# KiCad board poly_kb_molecule_7x5_wave_left.kicad_pcb (continued)
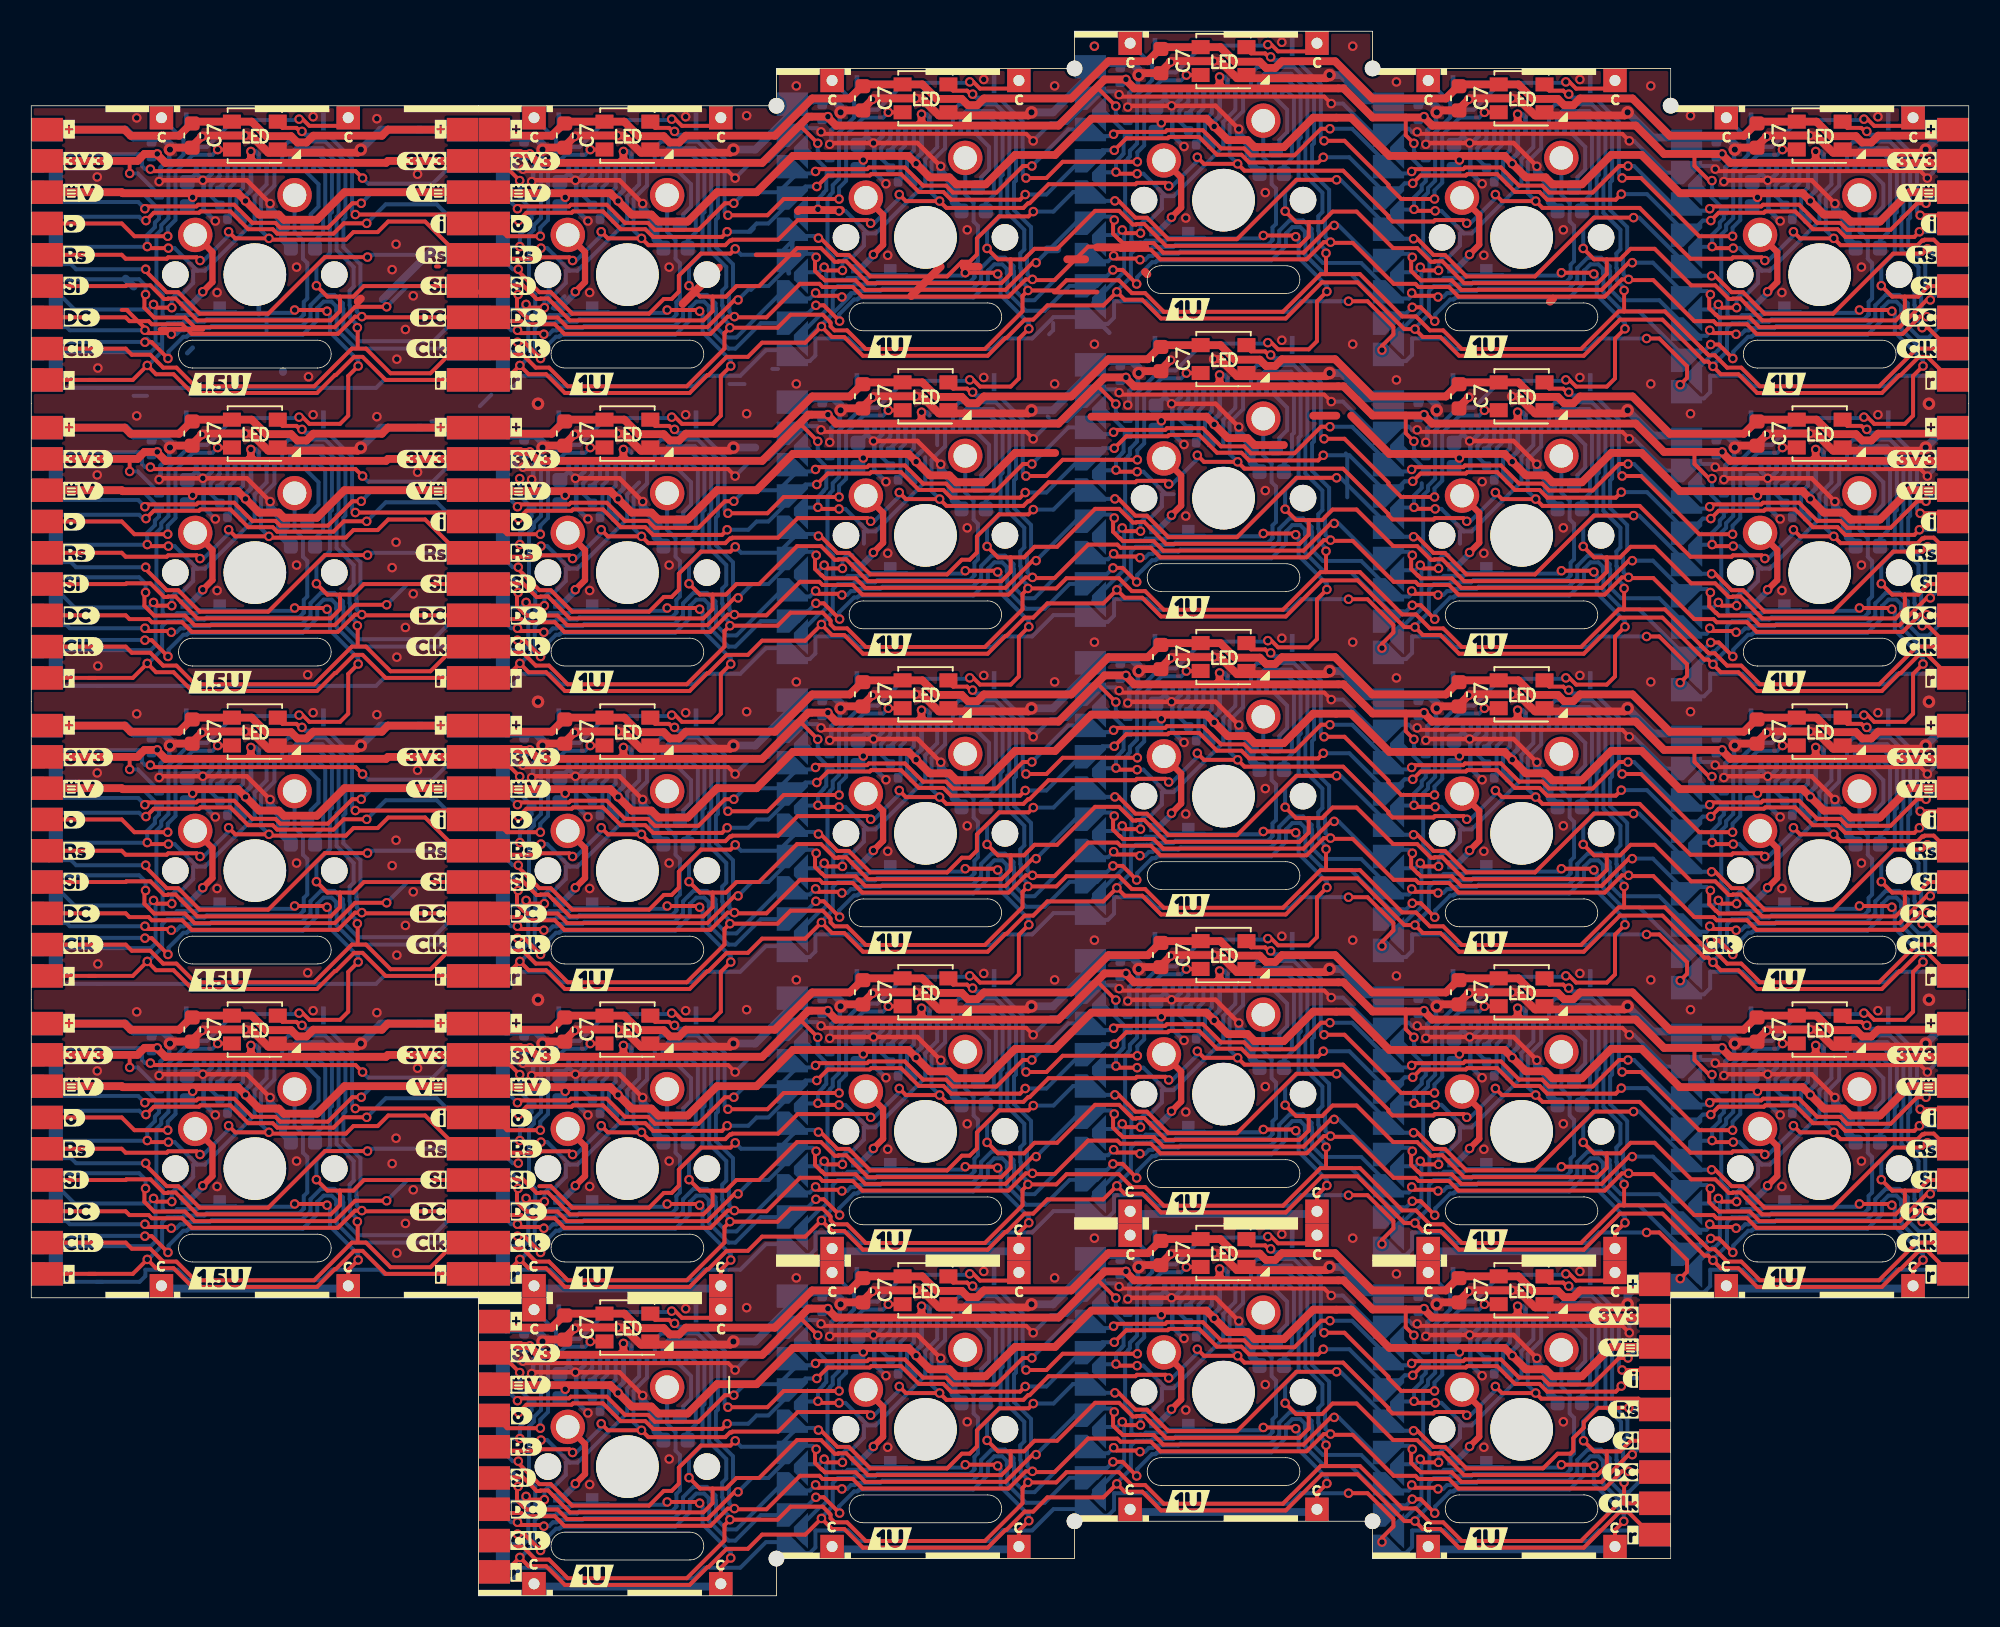
[diagram p0: board, top side]
## Routing (per net, layer and track width the routed paths; a pad name or vN(x,y) marks a point on that pad's centre or on a via; arc(x,y) is an arc through that point) (continued)
/Keyboard/sheet605ED2EB/LED_DIN: length 744.9
  Top w0.254: v1(70.69,34.52) 65.92,34.52 64.88,33.48 v1(63.58,33.48) ; v1(73.83,59.11) 74.73,59.11 LED1#28.2 ; v1(11.91,73.4) 12.82,73.4 LED1#23.2 ; v1(17.3,36.46) 17.17,36.46 16.95,36.69 16.05,36.69 15.65,37.09 ; v1(117.31,36.46) 117.18,36.46 116.96,36.69 116.06,36.69 115.67,37.08 ; v1(70.69,91.67) 65.92,91.67 64.88,90.63 v1(63.58,90.63) ; v1(92.88,37.68) 93.78,37.68 LED1#14.2 ; v1(82.62,93.01) 83.93,93.01 86.74,90.2 86.74,90.11 87.56,89.29 v1(89.68,89.29) ; 15.65,94.24 16.05,93.84 16.95,93.84 17.17,93.61 v1(17.3,93.61) ; v1(70.69,53.57) 65.92,53.57 64.88,52.53 v1(63.58,52.53) ; v1(63.58,71.58) 64.88,71.58 65.92,72.62 v1(70.69,72.62) ; v1(20.71,50.2) 26.99,50.2 J4#7.4 ; LED1#21.2 55.68,94.83 v1(54.78,94.83) ; v1(44.53,50.15) 47.05,50.15 48.09,51.19 v1(51.63,51.19) ; LED1#26.2 112.83,54.35 v1(111.92,54.35) ; v1(8.72,29.76) 6.59,29.76 5.78,30.58 J3#3.4 ; v1(35.73,35.3) 36.63,35.3 LED1#22.2 ; LED1#17.2 74.73,40.06 v1(73.83,40.06) ; v1(35.73,92.45) 36.63,92.45 LED1.2 ; v1(82.62,16.81) 83.93,16.81 86.74,14 86.74,13.91 87.56,13.09 v1(89.68,13.09) ; v1(70.69,15.47) 65.92,15.47 64.88,14.43 v1(63.58,14.43) ; v1(11.91,92.45) 12.82,92.45 LED1#8.2 ; J4#4.4 26.99,69.25 v1(20.71,69.25) ; v1(98.26,38.84) 98.13,38.84 97.91,39.07 97.01,39.07 96.61,39.47 ; v1(98.26,95.99) 98.13,95.99 97.91,96.22 97.01,96.22 96.61,96.62 ; 77.56,79.95 77.96,79.55 78.86,79.55 79.08,79.32 v1(79.21,79.32) ; v1(11.91,35.3) 12.82,35.3 LED1#2.2 ; v1(92.88,56.73) 93.78,56.73 LED1#19.2 ; J3#4.4 30.41,67.86 v1(32.53,67.86) ; v1(35.73,16.25) 36.63,16.25 LED1#11.2 ; 96.61,77.57 97.01,77.17 97.91,77.17 98.13,76.94 v1(98.26,76.94) ; v1(79.21,60.27) 79.08,60.27 78.86,60.5 77.96,60.5 77.56,60.9 ; v1(108.73,67.86) 106.61,67.86 102.88,71.58 v1(101.67,71.58) ; v1(89.68,70.24) 87.56,70.24 86.74,71.06 86.74,71.15 83.93,73.96 v1(82.62,73.96) ; v1(44.53,69.2) 47.05,69.2 48.09,70.24 v1(51.63,70.24) ; v1(98.26,57.89) 98.13,57.89 97.91,58.12 97.01,58.12 96.61,58.52 ; v1(32.53,10.71) 30.41,10.71 J3#6.4 ; v1(73.83,78.16) 74.73,78.16 LED1#12.2 ; v1(54.78,37.68) 55.68,37.68 LED1#18.2 ; v1(44.53,12.05) 47.05,12.05 48.09,13.09 v1(51.63,13.09) ; v1(11.91,54.35) 12.82,54.35 LED1#20.2 ; v1(41.11,36.46) 40.98,36.46 40.76,36.69 39.86,36.69 39.47,37.08 ; v1(32.53,29.76) 30.41,29.76 J3#2.4 ; v1(60.16,19.79) 60.03,19.79 59.81,20.02 58.91,20.02 58.52,20.42 ; 58.52,58.52 58.91,58.12 59.81,58.12 60.03,57.89 v1(60.16,57.89) ; 122.55,30.58 122.03,31.1 v1(120.73,31.1) ; v1(89.68,51.19) 87.56,51.19 86.74,52.01 86.74,52.1 83.93,54.91 v1(82.62,54.91) ; 77.56,41.85 77.96,41.45 78.86,41.45 79.08,41.22 v1(79.21,41.22) ; v1(117.31,74.56) 117.18,74.56 116.96,74.79 116.06,74.79 115.67,75.19 ; v1(41.11,55.51) 40.98,55.51 40.76,55.74 39.86,55.74 39.47,56.13 ; v1(82.62,35.86) 83.93,35.86 86.74,33.05 86.74,32.96 87.56,32.14 v1(89.68,32.14) ; J3#7.4 30.41,48.81 v1(32.53,48.81) ; J4#9.4 26.99,88.3 v1(20.71,88.3) ; v1(41.11,17.41) 40.98,17.41 40.76,17.64 39.86,17.64 39.47,18.03 ; 122.55,87.72 122.03,88.25 v1(120.73,88.25) ; LED1#15.2 55.68,75.78 v1(54.78,75.78) ; v1(117.31,93.61) 117.18,93.61 116.96,93.84 116.06,93.84 115.67,94.23 ; LED1#3.2 112.83,92.45 v1(111.92,92.45) ; v1(79.21,98.37) 79.08,98.37 78.86,98.6 77.96,98.6 77.56,99 ; 96.61,20.42 97.01,20.02 97.91,20.02 98.13,19.79 v1(98.26,19.79) ; v1(54.78,18.63) 55.68,18.63 LED1#25.2 ; v1(101.67,33.48) 102.88,33.48 106.61,29.76 v1(108.73,29.76) ; J3.4 30.41,86.91 v1(32.53,86.91) ; 15.65,56.14 16.05,55.74 16.95,55.74 17.17,55.51 v1(17.3,55.51) ; v1(120.73,50.15) 122.03,50.15 122.55,49.62 ; v1(51.63,89.29) 48.09,89.29 47.05,88.25 v1(44.53,88.25) ; J4#8.4 26.99,31.15 v1(20.71,31.15) ; v1(8.72,86.91) 6.59,86.91 5.78,87.73 J3#5.4 ; LED1#27.2 36.63,73.4 v1(35.73,73.4) ; v1(101.67,90.63) 102.88,90.63 106.61,86.91 v1(108.73,86.91) ; LED1#7.2 112.83,35.3 v1(111.92,35.3) ; LED1#6.2 112.83,73.4 v1(111.92,73.4) ; v1(35.73,54.35) 36.63,54.35 LED1#5.2 ; v1(51.63,32.14) 48.09,32.14 47.05,31.1 v1(44.53,31.1) ; v1(17.3,74.56) 17.17,74.56 16.95,74.79 16.05,74.79 15.65,75.19 ; 58.52,96.62 58.91,96.22 59.81,96.22 60.03,95.99 v1(60.16,95.99) ; 39.47,75.19 39.86,74.79 40.76,74.79 40.98,74.56 v1(41.11,74.56) ; v1(60.16,38.84) 60.03,38.84 59.81,39.07 58.91,39.07 58.52,39.47 ; v1(41.11,93.61) 40.98,93.61 40.76,93.84 39.86,93.84 39.47,94.23 ; v1(60.16,76.94) 60.03,76.94 59.81,77.17 58.91,77.17 58.52,77.57 ; J3#9.4 5.78,68.68 6.59,67.86 v1(8.72,67.86) ; 77.56,22.8 77.96,22.4 78.86,22.4 79.08,22.17 v1(79.21,22.17) ; LED1#13.2 74.73,97.21 v1(73.83,97.21) ; v1(120.73,69.2) 122.03,69.2 122.55,68.67 ; 115.67,56.13 116.06,55.74 116.96,55.74 117.18,55.51 v1(117.31,55.51) ; LED1#9.2 93.78,75.78 v1(92.88,75.78) ; v1(92.88,18.63) 93.78,18.63 LED1#16.2 ; v1(8.72,48.81) 6.59,48.81 5.78,49.63 J3#8.4 ; LED1#4.2 74.73,21.01 v1(73.83,21.01) ; LED1#10.2 55.68,56.73 v1(54.78,56.73) ; v1(108.73,48.81) 106.61,48.81 102.88,52.53 v1(101.67,52.53) ; J4#5.4 103.23,14.43 v1(101.67,14.43) ; v1(92.88,94.83) 93.78,94.83 LED1#24.2
  Bottom w0.254: v1(120.73,69.2) 120.51,69.41 120.51,72.8 118.97,74.34 117.53,74.34 v1(117.31,74.56) ; v1(79.21,79.32) 79.43,79.11 80.87,79.11 82.41,77.56 82.41,74.17 v1(82.62,73.96) ; v1(98.26,38.84) 98.48,38.63 99.92,38.63 101.46,37.08 101.46,33.69 v1(101.67,33.48) ; v1(63.58,33.48) 63.36,33.69 63.36,37.08 61.82,38.63 60.38,38.63 v1(60.16,38.84) ; v1(11.91,73.4) 11.58,73.07 10.33,73.07 9.21,71.95 9.21,68.9 8.72,68.41 v1(8.72,67.86) ; v1(32.53,29.76) 32.53,30.31 33.03,30.8 33.03,33.85 34.15,34.97 35.39,34.97 v1(35.73,35.3) ; v1(101.67,90.63) 101.46,90.84 101.46,94.23 99.92,95.78 98.48,95.78 v1(98.26,95.99) ; v1(79.21,22.17) 79.43,21.96 80.87,21.96 82.41,20.41 82.41,17.02 v1(82.62,16.81) ; v1(120.73,88.25) 120.51,88.46 120.51,91.85 118.97,93.39 117.53,93.39 v1(117.31,93.61) ; v1(108.73,86.91) 108.73,87.46 109.23,87.95 109.23,91 110.35,92.12 111.59,92.12 v1(111.92,92.45) ; v1(44.53,50.15) 44.31,50.36 44.31,53.75 42.77,55.29 41.33,55.29 v1(41.11,55.51) ; v1(79.21,60.27) 79.43,60.06 80.87,60.06 82.41,58.51 82.41,55.12 v1(82.62,54.91) ; v1(54.78,37.68) 54.44,37.35 53.2,37.35 52.08,36.23 52.08,33.31 51.63,32.86 v1(51.63,32.14) ; v1(89.68,89.29) 89.68,89.84 90.18,90.33 90.18,93.38 91.3,94.5 92.54,94.5 v1(92.88,94.83) ; v1(17.3,55.51) 17.52,55.29 18.96,55.29 20.5,53.75 20.5,50.41 v1(20.71,50.2) ; v1(35.73,54.35) 35.39,54.02 34.15,54.02 33.03,52.9 33.03,49.85 32.53,49.36 v1(32.53,48.81) ; v1(120.73,50.15) 120.51,50.36 120.51,53.75 118.97,55.29 117.53,55.29 v1(117.31,55.51) ; v1(73.83,40.06) 73.49,39.73 72.25,39.73 71.13,38.61 71.13,35.56 70.69,35.13 v1(70.69,34.52) ; v1(70.69,15.47) 70.69,16.08 71.13,16.51 71.13,19.56 72.25,20.68 73.49,20.68 v1(73.83,21.01) ; v1(51.63,70.24) 51.63,70.96 52.08,71.41 52.08,74.33 53.2,75.45 54.44,75.45 v1(54.78,75.78) ; v1(20.71,69.25) 20.5,69.46 20.5,72.8 18.96,74.34 17.52,74.34 v1(17.3,74.56) ; v1(51.63,51.19) 51.63,51.91 52.08,52.36 52.08,55.28 53.2,56.4 54.44,56.4 v1(54.78,56.73) ; v1(32.53,67.86) 32.53,68.41 33.03,68.9 33.03,71.95 34.15,73.07 35.39,73.07 v1(35.73,73.4) ; v1(20.71,88.3) 20.5,88.51 20.5,91.85 18.96,93.39 17.52,93.39 v1(17.3,93.61) ; v1(41.11,36.46) 41.33,36.24 42.77,36.24 44.31,34.7 44.31,31.31 v1(44.53,31.1) ; v1(111.92,35.3) 111.59,34.97 110.35,34.97 109.23,33.85 109.23,30.8 108.73,30.31 v1(108.73,29.76) ; v1(89.68,32.14) 89.68,32.69 90.18,33.18 90.18,36.23 91.3,37.35 92.54,37.35 v1(92.88,37.68) ; v1(92.88,18.63) 92.54,18.3 91.3,18.3 90.18,17.18 90.18,14.13 89.68,13.64 v1(89.68,13.09) ; v1(8.72,86.91) 8.72,87.46 9.21,87.95 9.21,91 10.33,92.12 11.58,92.12 v1(11.91,92.45) ; v1(82.62,93.01) 82.41,93.22 82.41,96.61 80.87,98.16 79.43,98.16 v1(79.21,98.37) ; v1(41.11,93.61) 41.33,93.39 42.77,93.39 44.31,91.85 44.31,88.46 v1(44.53,88.25) ; v1(73.83,97.21) 73.49,96.88 72.25,96.88 71.13,95.76 71.13,92.71 70.69,92.28 v1(70.69,91.67) ; v1(120.73,31.1) 120.51,31.31 120.51,34.7 118.97,36.24 117.53,36.24 v1(117.31,36.46) ; v1(32.53,86.91) 32.53,87.46 33.03,87.95 33.03,91 34.15,92.12 35.39,92.12 v1(35.73,92.45) ; v1(54.78,94.83) 54.44,94.5 53.2,94.5 52.08,93.38 52.08,90.46 51.63,90.01 v1(51.63,89.29) ; v1(54.78,18.63) 54.44,18.3 53.2,18.3 52.08,17.18 52.08,14.26 51.63,13.81 v1(51.63,13.09) ; v1(101.67,14.43) 101.46,14.64 101.46,18.03 99.92,19.58 98.48,19.58 v1(98.26,19.79) ; v1(60.16,76.94) 60.38,76.73 61.82,76.73 63.36,75.18 63.36,71.79 v1(63.58,71.58) ; v1(41.11,17.41) 41.33,17.19 42.77,17.19 44.31,15.65 44.31,12.26 v1(44.53,12.05) ; v1(101.67,71.58) 101.46,71.79 101.46,75.18 99.92,76.73 98.48,76.73 v1(98.26,76.94) ; v1(8.72,29.76) 8.72,30.31 9.21,30.8 9.21,33.85 10.33,34.97 11.58,34.97 v1(11.91,35.3) ; v1(20.71,31.15) 20.5,31.36 20.5,34.7 18.96,36.24 17.52,36.24 v1(17.3,36.46) ; v1(11.91,54.35) 11.58,54.02 10.33,54.02 9.21,52.9 9.21,49.85 8.72,49.36 v1(8.72,48.81) ; v1(73.83,78.16) 73.49,77.83 72.25,77.83 71.13,76.71 71.13,73.66 70.69,73.23 v1(70.69,72.62) ; v1(101.67,52.53) 101.46,52.74 101.46,56.13 99.92,57.68 98.48,57.68 v1(98.26,57.89) ; v1(92.88,75.78) 92.54,75.45 91.3,75.45 90.18,74.33 90.18,71.28 89.68,70.79 v1(89.68,70.24) ; v1(63.58,52.53) 63.36,52.74 63.36,56.13 61.82,57.68 60.38,57.68 v1(60.16,57.89) ; v1(70.69,53.57) 70.69,54.18 71.13,54.61 71.13,57.66 72.25,58.78 73.49,58.78 v1(73.83,59.11) ; v1(82.62,35.86) 82.41,36.07 82.41,39.46 80.87,41.01 79.43,41.01 v1(79.21,41.22) ; v1(60.16,95.99) 60.38,95.78 61.82,95.78 63.36,94.23 63.36,90.84 v1(63.58,90.63) ; v1(108.73,48.81) 108.73,49.36 109.23,49.85 109.23,52.9 110.35,54.02 111.59,54.02 v1(111.92,54.35) ; v1(44.53,69.2) 44.31,69.41 44.31,72.8 42.77,74.34 41.33,74.34 v1(41.11,74.56) ; v1(32.53,10.71) 32.53,11.26 33.03,11.75 33.03,14.8 34.15,15.92 35.39,15.92 v1(35.73,16.25) ; v1(89.68,51.19) 89.68,51.74 90.18,52.23 90.18,55.28 91.3,56.4 92.54,56.4 v1(92.88,56.73) ; v1(63.58,14.43) 63.36,14.64 63.36,18.03 61.82,19.58 60.38,19.58 v1(60.16,19.79) ; v1(108.73,67.86) 108.73,68.41 109.23,68.9 109.23,71.95 110.35,73.07 111.59,73.07 v1(111.92,73.4)
/Keyboard/sheet605ED2EB/RESET: length 763.1
  Top w0.254: 102.8,12.52 102.72,12.6 96.51,12.6 v1(96.15,12.96) 94,12.96 v1(93.57,13.38) ; v1(91.75,87.74) 91.54,87.94 89.71,87.94 89.62,87.85 86.99,87.85 86.74,88.11 86.74,88.2 83.84,91.1 77.54,91.1 v1(77.1,91.54) 74.95,91.54 v1(74.52,91.96) ; v1(110.8,66.31) 110.59,66.51 108.76,66.51 108.67,66.42 106.04,66.42 102.8,69.67 96.59,69.67 v1(96.15,70.11) 94,70.11 v1(93.57,70.53) ; v1(53.65,68.69) 53.44,68.89 48.98,68.89 47.73,67.64 44.8,67.64 44.75,67.59 44.66,67.59 44.36,67.29 39.44,67.29 v1(39,67.72) 36.85,67.72 v1(36.42,68.15) ; v1(53.65,49.64) 53.44,49.84 48.98,49.84 47.73,48.59 44.8,48.59 44.75,48.54 44.66,48.54 44.36,48.24 39.44,48.24 v1(39,48.67) 36.85,48.67 v1(36.42,49.1) ; v1(112.62,68.15) 113.05,67.72 v1(115.2,67.72) 115.64,67.29 120.56,67.29 120.86,67.59 120.95,67.59 121,67.64 121.59,67.64 122.55,66.67 ; v1(12.61,49.1) 13.03,48.67 v1(15.19,48.67) 15.27,48.59 20.1,48.59 20.59,49.08 22.14,49.08 22.81,49.75 25.17,49.75 27.3,47.63 J4#7.5 ; J3#3.5 5.78,28.58 6.03,28.32 8.66,28.32 8.75,28.41 10.58,28.41 v1(10.78,28.21) ; v1(91.75,30.59) 91.54,30.79 89.71,30.79 89.62,30.7 86.99,30.7 86.74,30.96 86.74,31.05 83.84,33.95 77.54,33.95 v1(77.1,34.39) 74.95,34.39 v1(74.52,34.81) ; v1(12.61,87.2) 13.03,86.77 v1(15.19,86.77) 15.27,86.69 20.1,86.69 20.59,87.18 22.14,87.18 22.81,87.85 25.17,87.85 27.3,85.73 J4#9.5 ; v1(34.6,66.31) 34.39,66.51 32.56,66.51 32.47,66.42 29.84,66.42 J3#4.5 ; J3#5.5 5.78,85.73 6.03,85.47 8.66,85.47 8.75,85.56 10.58,85.56 v1(10.78,85.36) ; v1(110.8,85.36) 110.59,85.56 108.76,85.56 108.67,85.47 106.04,85.47 102.8,88.72 96.59,88.72 v1(96.15,89.16) 94,89.16 v1(93.57,89.58) ; v1(110.8,28.21) 110.59,28.41 108.76,28.41 108.67,28.32 106.04,28.32 102.8,31.57 96.59,31.57 v1(96.15,32.01) 94,32.01 v1(93.57,32.43) ; v1(34.6,28.21) 34.39,28.41 32.56,28.41 32.47,28.32 29.84,28.32 J3#2.5 ; J3#7.5 29.84,47.37 32.47,47.37 32.56,47.46 34.39,47.46 v1(34.6,47.26) ; 122.55,47.62 121.59,48.59 121,48.59 120.95,48.54 120.86,48.54 120.56,48.24 115.64,48.24 v1(115.2,48.67) 113.05,48.67 v1(112.62,49.1) ; v1(36.42,11) 36.85,10.57 v1(39,10.57) 39.44,10.14 44.36,10.14 44.66,10.44 44.75,10.44 44.8,10.49 47.73,10.49 48.98,11.74 53.44,11.74 v1(53.65,11.54) ; v1(53.65,87.74) 53.44,87.94 48.98,87.94 47.73,86.69 44.8,86.69 44.75,86.64 44.66,86.64 44.36,86.34 39.44,86.34 v1(39,86.77) 36.85,86.77 v1(36.42,87.2) ; v1(55.47,13.38) 55.9,12.96 v1(58.05,12.96) 58.49,12.52 63.41,12.52 63.71,12.82 63.8,12.82 65.02,14.03 70.57,14.03 70.66,14.12 72.49,14.12 v1(72.7,13.92) ; 122.55,85.72 121.59,86.69 121,86.69 120.95,86.64 120.86,86.64 120.56,86.34 115.64,86.34 v1(115.2,86.77) 113.05,86.77 v1(112.62,87.2) ; v1(55.47,89.58) 55.9,89.16 v1(58.05,89.16) 58.49,88.72 63.41,88.72 63.71,89.02 63.8,89.02 65.02,90.23 70.57,90.23 70.66,90.32 72.49,90.32 v1(72.7,90.12) ; 122.55,28.58 121.59,29.54 121,29.54 120.95,29.49 120.86,29.49 120.56,29.19 115.64,29.19 v1(115.2,29.62) 113.05,29.62 v1(112.62,30.05) ; v1(12.61,30.05) 13.03,29.62 v1(15.19,29.62) 15.27,29.54 20.1,29.54 20.59,30.03 22.14,30.03 22.81,30.7 25.17,30.7 27.3,28.58 J4#8.5 ; v1(93.57,51.48) 94,51.06 v1(96.15,51.06) 96.59,50.62 102.8,50.62 106.04,47.37 108.67,47.37 108.76,47.46 110.59,47.46 v1(110.8,47.26) ; v1(10.78,66.31) 10.58,66.51 8.75,66.51 8.66,66.42 6.03,66.42 5.78,66.68 J3#9.5 ; v1(74.52,72.91) 74.95,72.49 v1(77.1,72.49) 77.54,72.05 83.84,72.05 86.74,69.15 86.74,69.06 86.99,68.8 89.62,68.8 89.71,68.89 91.54,68.89 v1(91.75,68.69) ; v1(72.7,52.02) 72.49,52.22 70.66,52.22 70.57,52.13 65.02,52.13 63.8,50.92 63.71,50.92 63.41,50.62 58.49,50.62 v1(58.05,51.06) 55.9,51.06 v1(55.47,51.48) ; v1(72.7,71.07) 72.49,71.27 70.66,71.27 70.57,71.18 65.02,71.18 63.8,69.97 63.71,69.97 63.41,69.67 58.49,69.67 v1(58.05,70.11) 55.9,70.11 v1(55.47,70.53) ; v1(55.47,32.43) 55.9,32.01 v1(58.05,32.01) 58.49,31.57 63.41,31.57 63.71,31.87 63.8,31.87 65.02,33.08 70.57,33.08 70.66,33.17 72.49,33.17 v1(72.7,32.97) ; v1(34.6,85.36) 34.39,85.56 32.56,85.56 32.47,85.47 29.84,85.47 J3.5 ; J3#8.5 5.78,47.63 6.03,47.37 8.66,47.37 8.75,47.46 10.58,47.46 v1(10.78,47.26) ; J3#6.5 29.84,9.27 32.47,9.27 32.56,9.36 34.39,9.36 v1(34.6,9.16) ; v1(53.65,30.59) 53.44,30.79 48.98,30.79 47.73,29.54 44.8,29.54 44.75,29.49 44.66,29.49 44.36,29.19 39.44,29.19 v1(39,29.62) 36.85,29.62 v1(36.42,30.05) ; v1(74.52,53.86) 74.95,53.44 v1(77.1,53.44) 77.54,53 83.84,53 86.74,50.1 86.74,50.01 86.99,49.75 89.62,49.75 89.71,49.84 91.54,49.84 v1(91.75,49.64) ; J4#4.5 27.3,66.68 25.17,68.8 22.81,68.8 22.14,68.13 20.59,68.13 20.1,67.64 15.27,67.64 v1(15.19,67.72) 13.03,67.72 v1(12.61,68.15) ; v1(74.52,15.76) 74.95,15.34 v1(77.1,15.34) 77.54,14.9 83.84,14.9 86.74,12 86.74,11.91 86.99,11.65 89.62,11.65 89.71,11.74 91.54,11.74 v1(91.75,11.54)
  Bottom w0.254: J1#4.11 77.45,75.86 76.59,75 76.59,73 v1(77.1,72.49) ; v1(58.05,12.96) 57.54,13.47 57.54,15.47 58.4,16.33 J1#12.11 ; v1(112.62,30.05) 112.62,29.8 111.03,28.21 v1(110.8,28.21) ; v1(110.8,47.26) 111.03,47.26 112.62,48.85 v1(112.62,49.1) ; v1(77.1,91.54) 76.59,92.05 76.59,94.05 77.45,94.91 J1#5.11 ; J1#16.11 15.54,33 14.68,32.14 14.68,30.13 v1(15.19,29.62) ; v1(10.78,28.21) 11.01,28.21 12.61,29.8 v1(12.61,30.05) ; v1(77.1,34.39) 76.59,34.9 76.59,36.9 77.45,37.76 J1#21.11 ; J1#15.11 15.54,52.05 14.68,51.19 14.68,49.18 v1(15.19,48.67) ; v1(53.65,30.59) 53.88,30.59 55.47,32.19 v1(55.47,32.43) ; J1#7.11 115.55,90.15 114.69,89.29 114.69,87.28 v1(115.2,86.77) ; J1#13.11 58.4,35.38 57.54,34.52 57.54,32.52 v1(58.05,32.01) ; v1(34.6,47.26) 34.83,47.26 36.42,48.85 v1(36.42,49.1) ; v1(96.15,12.96) 95.64,13.47 95.64,15.47 96.5,16.33 J1#2.11 ; v1(96.15,51.06) 95.64,51.57 95.64,53.57 96.5,54.43 J1#9.11 ; v1(58.05,89.16) 57.54,89.67 57.54,91.67 58.4,92.53 J1#17.11 ; v1(39,86.77) 38.49,87.28 38.49,89.29 39.35,90.15 39.35,91.44 ; v1(53.65,11.54) 53.88,11.54 55.47,13.14 v1(55.47,13.38) ; v1(36.42,30.05) 36.42,29.8 34.83,28.21 v1(34.6,28.21) ; v1(115.2,67.72) 114.69,68.23 114.69,70.24 115.55,71.1 J1#23.11 ; v1(74.52,34.81) 74.52,34.57 72.93,32.97 v1(72.7,32.97) ; v1(96.15,70.11) 95.64,70.62 95.64,72.62 96.5,73.48 J1#3.11 ; v1(53.65,68.69) 53.88,68.69 55.47,70.29 v1(55.47,70.53) ; v1(72.7,71.07) 72.93,71.07 74.52,72.67 v1(74.52,72.91) ; v1(15.19,86.77) 14.68,87.28 14.68,89.29 15.54,90.15 J1#28.11 ; v1(110.8,85.36) 111.03,85.36 112.62,86.95 v1(112.62,87.2) ; v1(115.2,29.62) 114.69,30.13 114.69,32.14 115.55,33 J1#26.11 ; v1(91.75,49.64) 91.98,49.64 93.57,51.24 v1(93.57,51.48) ; v1(55.47,51.48) 55.47,51.24 53.88,49.64 v1(53.65,49.64) ; v1(34.6,66.31) 34.83,66.31 36.42,67.9 v1(36.42,68.15) ; 39.35,53.34 39.35,52.05 38.49,51.19 38.49,49.18 v1(39,48.67) ; v1(93.57,13.38) 93.57,13.14 91.98,11.54 v1(91.75,11.54) ; v1(93.57,89.58) 93.57,89.34 91.98,87.74 v1(91.75,87.74) ; J1#22.11 96.5,92.53 95.64,91.67 95.64,89.67 v1(96.15,89.16) ; v1(39,67.72) 38.49,68.23 38.49,70.24 39.35,71.1 39.35,72.39 ; J1#27.11 58.4,73.48 57.54,72.62 57.54,70.62 v1(58.05,70.11) ; v1(36.42,11) 36.42,10.75 34.83,9.16 v1(34.6,9.16) ; v1(77.1,15.34) 76.59,15.85 76.59,17.85 77.45,18.71 J1#25.11 ; v1(15.19,67.72) 14.68,68.23 14.68,70.24 15.54,71.1 J1#24.11 ; v1(93.57,32.43) 93.57,32.19 91.98,30.59 v1(91.75,30.59) ; v1(110.8,66.31) 111.03,66.31 112.62,67.9 v1(112.62,68.15) ; v1(39,29.62) 38.49,30.13 38.49,32.14 39.35,33 39.35,34.29 ; v1(10.78,47.26) 11.01,47.26 12.61,48.85 v1(12.61,49.1) ; v1(58.05,51.06) 57.54,51.57 57.54,53.57 58.4,54.43 J1#6.11 ; v1(12.61,68.15) 12.61,67.9 11.01,66.31 v1(10.78,66.31) ; v1(72.7,13.92) 72.93,13.92 74.52,15.52 v1(74.52,15.76) ; v1(77.1,53.44) 76.59,53.95 76.59,55.95 77.45,56.81 J1#10.11 ; v1(12.61,87.2) 12.61,86.95 11.01,85.36 v1(10.78,85.36) ; v1(34.6,85.36) 34.83,85.36 36.42,86.95 v1(36.42,87.2) ; v1(55.47,89.58) 55.47,89.34 53.88,87.74 v1(53.65,87.74) ; v1(93.57,70.53) 93.57,70.29 91.98,68.69 v1(91.75,68.69) ; v1(74.52,53.86) 74.52,53.62 72.93,52.02 v1(72.7,52.02) ; v1(39,10.57) 38.49,11.08 38.49,13.09 39.35,13.95 39.35,15.24 ; v1(96.15,32.01) 95.64,32.52 95.64,34.52 96.5,35.38 J1#18.11 ; v1(72.7,90.12) 72.93,90.12 74.52,91.72 v1(74.52,91.96) ; J1#19.11 115.55,52.05 114.69,51.19 114.69,49.18 v1(115.2,48.67)
/Keyboard/sheet605ED2EB/SCLK: length 1104.6
  Top w0.25: 101.81,44.01 101.8,44.01 v1(101.8,45.34) ; v1(82.75,9.63) 82.75,8.31 82.73,8.29 ; 82.73,27.34 82.75,27.36 v1(82.75,28.68) ; 82.73,46.39 82.75,46.41 v1(82.75,47.73) ; 82.73,65.44 82.75,65.46 v1(82.75,66.78) ; v1(82.75,85.83) 82.75,84.51 82.73,84.49 ; v1(101.8,83.44) 101.8,82.11 101.81,82.11 ; J4#5.8 101.81,5.91 101.8,5.91 v1(101.8,7.24) ; v1(101.8,64.39) 101.8,63.06 101.81,63.06 ; 101.81,24.96 101.8,24.96 v1(101.8,26.29)
  Top w0.254: 101.81,5.91 101.45,5.91 99.04,3.5 91.43,3.5 90.24,4.69 89.39,4.69 88.5,5.58 87.62,5.58 84.92,8.29 82.4,8.29 79.99,5.88 72.38,5.88 71.19,7.07 70.34,7.07 69.52,7.9 66.16,7.9 65.51,7.24 v1(63.7,7.24) 63.35,6.9 63.35,5.91 60.94,3.5 53.33,3.5 52.14,4.69 51.34,4.69 51.08,4.94 51.08,5.18 51.01,5.25 51.01,5.27 50.59,5.69 48.52,5.69 47.69,4.86 v1(44.65,4.86) 44.3,4.51 44.3,3.52 41.89,1.12 34.28,1.12 33.09,2.31 32.24,2.31 31.42,3.13 30.24,3.13 29.84,3.52 ; v1(120.85,42.96) 121.22,42.96 122.55,41.62 ; 29.84,79.72 30.24,79.33 31.42,79.33 32.24,78.51 33.09,78.51 34.28,77.32 41.89,77.32 44.3,79.72 44.3,80.71 v1(44.65,81.06) 47.69,81.06 48.52,81.89 50.59,81.89 51.01,81.47 51.01,81.45 51.08,81.38 51.08,81.14 51.34,80.89 52.14,80.89 53.33,79.7 60.94,79.7 63.35,82.11 63.35,83.1 v1(63.7,83.44) 65.51,83.44 66.16,84.1 69.52,84.1 70.34,83.27 71.19,83.27 72.38,82.08 79.99,82.08 82.4,84.49 84.92,84.49 87.62,81.78 88.5,81.78 89.39,80.89 90.24,80.89 91.43,79.7 99.04,79.7 101.45,82.11 104.4,82.11 106.72,79.79 106.72,79.79 106.73,79.78 106.73,79.78 106.74,79.77 106.74,79.76 106.75,79.75 106.75,79.75 107.09,79.41 107.1,79.41 107.21,79.3 107.6,79.3 108.38,78.51 109.29,78.51 110.48,77.32 118.09,77.32 120.5,79.72 J4#6.8 ; v1(120.85,62.01) 121.22,62.01 122.55,60.67 ; 29.84,22.58 30.24,22.18 31.42,22.18 32.24,21.36 33.09,21.36 34.28,20.17 41.89,20.17 44.3,22.58 44.3,23.56 v1(44.65,23.91) 47.69,23.91 48.52,24.74 50.59,24.74 51.01,24.32 51.01,24.3 51.08,24.23 51.08,23.99 51.34,23.74 52.14,23.74 53.33,22.55 60.94,22.55 63.35,24.96 63.35,25.95 v1(63.7,26.29) 65.51,26.29 66.16,26.95 69.52,26.95 70.34,26.12 71.19,26.12 72.38,24.93 79.99,24.93 82.4,27.34 84.92,27.34 87.62,24.63 88.5,24.63 89.39,23.74 90.24,23.74 91.43,22.55 99.04,22.55 101.45,24.96 104.4,24.96 106.72,22.64 106.72,22.64 106.73,22.63 106.73,22.63 106.74,22.62 106.74,22.61 106.75,22.6 106.75,22.6 107.09,22.26 107.1,22.26 107.21,22.15 107.6,22.15 108.38,21.36 109.29,21.36 110.48,20.17 118.09,20.17 120.5,22.58 J4.8 ; J3#3.8 6.03,22.58 6.42,22.18 7.6,22.18 8.43,21.36 9.28,21.36 10.47,20.17 18.08,20.17 20.49,22.58 21.39,22.58 22.96,21 25.51,21 27.09,22.58 J4#8.8 ; 29.84,60.67 30.24,60.28 31.42,60.28 32.24,59.46 33.09,59.46 34.28,58.27 41.89,58.27 44.3,60.67 44.3,61.66 v1(44.65,62.01) 47.69,62.01 48.52,62.84 50.59,62.84 51.01,62.42 51.01,62.4 51.08,62.33 51.08,62.09 51.34,61.84 52.14,61.84 53.33,60.65 60.94,60.65 63.35,63.06 63.35,64.05 v1(63.7,64.39) 65.51,64.39 66.16,65.05 69.52,65.05 70.34,64.22 71.19,64.22 72.38,63.03 79.99,63.03 82.4,65.44 84.92,65.44 87.62,62.73 88.5,62.73 89.39,61.84 90.24,61.84 91.43,60.65 99.04,60.65 101.45,63.06 104.4,63.06 106.72,60.74 106.72,60.74 106.73,60.73 106.73,60.73 106.74,60.72 106.74,60.71 106.75,60.7 106.75,60.7 107.09,60.36 107.1,60.36 107.21,60.25 107.6,60.25 108.38,59.46 109.29,59.46 110.48,58.27 118.09,58.27 120.5,60.67 J4#3.8 ; v1(120.85,81.06) 121.22,81.06 122.55,79.72 ; 29.84,41.62 30.24,41.23 31.42,41.23 32.24,40.41 33.09,40.41 34.28,39.22 41.89,39.22 44.3,41.62 44.3,42.61 v1(44.65,42.96) 47.69,42.96 48.52,43.79 50.59,43.79 51.01,43.37 51.01,43.35 51.08,43.28 51.08,43.04 51.34,42.79 52.14,42.79 53.33,41.6 60.94,41.6 63.35,44.01 63.35,45 v1(63.7,45.34) 65.51,45.34 66.16,46 69.52,46 70.34,45.17 71.19,45.17 72.38,43.98 79.99,43.98 82.4,46.39 84.92,46.39 87.62,43.68 88.5,43.68 89.39,42.79 90.24,42.79 91.43,41.6 99.04,41.6 101.45,44.01 104.4,44.01 106.72,41.69 106.72,41.69 106.73,41.68 106.73,41.68 106.74,41.67 106.74,41.66 106.75,41.65 106.75,41.65 107.09,41.31 107.1,41.31 107.21,41.2 107.6,41.2 108.38,40.41 109.29,40.41 110.48,39.22 118.09,39.22 120.5,41.62 J4#2.8 ; J3#9.8 6.03,60.68 6.42,60.28 7.6,60.28 8.43,59.46 9.28,59.46 10.47,58.27 18.08,58.27 20.49,60.68 21.39,60.68 22.96,59.1 25.51,59.1 27.09,60.68 J4#4.8 ; v1(20.84,62.01) 20.86,61.99 20.86,60.75 ; 122.55,22.58 121.22,23.91 v1(120.85,23.91) ; v1(20.84,81.06) 20.86,81.04 20.86,79.8 ; v1(20.84,42.96) 20.86,42.94 20.86,41.7 ; J4#9.8 27.09,79.73 25.51,78.15 22.96,78.15 21.39,79.73 20.49,79.73 18.08,77.32 10.47,77.32 9.28,78.51 8.43,78.51 7.6,79.33 6.42,79.33 6.03,79.73 J3#5.8 ; J4#7.8 27.09,41.63 25.51,40.05 22.96,40.05 21.39,41.63 20.49,41.63 18.08,39.22 10.47,39.22 9.28,40.41 8.43,40.41 7.6,41.23 6.42,41.23 6.03,41.63 J3#8.8 ; v1(20.84,23.91) 20.86,23.89 20.86,22.65
  Top w0.292: 68.12,83.34 65.37,83.34
  Bottom w0.254: J1#28.13 16.54,92.17 16.91,92.53 18.6,92.53 19.51,91.62 19.64,91.49 19.64,88.27 19.51,88.14 19.51,86.03 20.6,84.94 20.6,83.69 20.34,83.43 20.34,82.5 20.38,82.46 20.38,81.69 20.84,81.23 v1(20.84,81.06) ; v1(82.75,47.73) 82.75,47.89 82.29,48.36 82.29,49.13 82.26,49.16 82.26,50.09 82.52,50.35 82.52,51.6 81.43,52.69 81.43,54.8 81.56,54.93 81.56,58.16 81.43,58.28 81.43,58.29 80.52,59.2 78.82,59.2 78.45,58.83 J1#10.13 ; 40.35,15.24 40.35,15.97 40.72,16.33 42.42,16.33 43.33,15.42 43.46,15.29 43.46,12.07 43.33,11.94 43.33,9.83 44.42,8.74 44.42,7.49 44.16,7.23 44.16,6.3 44.19,6.26 44.19,5.49 44.65,5.03 v1(44.65,4.86) ; J1#26.13 116.55,35.02 116.92,35.38 118.62,35.38 119.53,34.47 119.66,34.34 119.66,31.12 119.53,30.99 119.53,28.88 120.62,27.79 120.62,26.54 120.36,26.28 120.36,25.35 120.39,25.31 120.39,24.54 120.85,24.08 v1(120.85,23.91) ; J1#23.13 116.55,73.12 116.92,73.48 118.62,73.48 119.53,72.57 119.66,72.44 119.66,69.22 119.53,69.09 119.53,66.98 120.62,65.89 120.62,64.64 120.36,64.38 120.36,63.45 120.39,63.41 120.39,62.64 120.85,62.18 v1(120.85,62.01) ; v1(63.7,83.44) 63.7,83.61 63.24,84.07 63.24,84.85 63.21,84.88 63.21,85.81 63.47,86.07 63.47,87.32 62.38,88.41 62.38,90.52 62.51,90.65 62.51,93.87 62.38,94 61.47,94.92 59.77,94.92 59.4,94.55 J1#17.13 ; v1(44.65,42.96) 44.65,43.13 44.19,43.59 44.19,44.36 44.16,44.4 44.16,45.33 44.42,45.59 44.42,46.84 43.33,47.93 43.33,50.04 43.46,50.17 43.46,53.39 43.33,53.52 42.42,54.43 40.72,54.43 40.35,54.07 40.35,53.34 ; v1(82.75,9.63) 82.75,9.79 82.29,10.26 82.29,11.03 82.26,11.06 82.26,11.99 82.52,12.25 82.52,13.5 81.43,14.59 81.43,16.7 81.56,16.83 81.56,20.06 81.43,20.18 81.43,20.19 80.52,21.1 78.82,21.1 78.45,20.73 J1#25.13 ; J1#3.13 97.5,75.5 97.87,75.87 99.57,75.87 100.48,74.95 100.61,74.82 100.61,71.6 100.48,71.47 100.48,69.36 101.57,68.27 101.57,67.02 101.31,66.76 101.31,65.83 101.34,65.8 101.34,65.02 101.8,64.56 v1(101.8,64.39) ; J1#27.13 59.4,75.5 59.77,75.87 61.47,75.87 62.38,74.95 62.51,74.82 62.51,71.6 62.38,71.47 62.38,69.36 63.47,68.27 63.47,67.02 63.21,66.76 63.21,65.83 63.24,65.8 63.24,65.02 63.7,64.56 v1(63.7,64.39) ; v1(120.85,81.06) 120.85,81.23 120.39,81.69 120.39,82.46 120.36,82.5 120.36,83.43 120.62,83.69 120.62,84.94 119.53,86.03 119.53,88.14 119.66,88.27 119.66,91.49 119.53,91.62 118.62,92.53 116.92,92.53 116.55,92.17 J1#7.13 ; v1(63.7,45.34) 63.7,45.51 63.24,45.97 63.24,46.75 63.21,46.78 63.21,47.71 63.47,47.97 63.47,49.22 62.38,50.31 62.38,52.42 62.51,52.55 62.51,55.77 62.38,55.9 61.47,56.82 59.77,56.82 59.4,56.45 J1#6.13 ; v1(101.8,26.29) 101.8,26.46 101.34,26.92 101.34,27.7 101.31,27.73 101.31,28.66 101.57,28.92 101.57,30.17 100.48,31.26 100.48,33.37 100.61,33.5 100.61,36.72 100.48,36.85 99.57,37.77 97.87,37.77 97.5,37.4 J1#18.13 ; J1#24.13 16.54,73.12 16.91,73.48 18.6,73.48 19.51,72.57 19.64,72.44 19.64,69.22 19.51,69.09 19.51,66.98 20.6,65.89 20.6,64.64 20.34,64.38 20.34,63.45 20.38,63.41 20.38,62.64 20.84,62.18 v1(20.84,62.01) ; v1(20.84,23.91) 20.84,24.08 20.38,24.54 20.38,25.31 20.34,25.35 20.34,26.28 20.6,26.54 20.6,27.79 19.51,28.88 19.51,30.99 19.64,31.12 19.64,34.34 19.51,34.47 18.6,35.38 16.91,35.38 16.54,35.02 J1#16.13 ; J1#15.13 16.54,54.07 16.91,54.43 18.6,54.43 19.51,53.52 19.64,53.39 19.64,50.17 19.51,50.04 19.51,47.93 20.6,46.84 20.6,45.59 20.34,45.33 20.34,44.4 20.38,44.36 20.38,43.59 20.84,43.13 v1(20.84,42.96) ; J1#12.13 59.4,18.35 59.77,18.72 61.47,18.72 62.38,17.8 62.51,17.67 62.51,14.45 62.38,14.32 62.38,12.21 63.47,11.12 63.47,9.87 63.21,9.61 63.21,8.68 63.24,8.65 63.24,7.87 63.7,7.41 v1(63.7,7.24) ; J1#5.13 78.45,96.93 78.82,97.3 80.52,97.3 81.43,96.39 81.43,96.38 81.56,96.26 81.56,93.03 81.43,92.9 81.43,90.79 82.52,89.7 82.52,88.45 82.26,88.19 82.26,87.26 82.29,87.23 82.29,86.46 82.75,85.99 v1(82.75,85.83) ; J1#13.13 59.4,37.4 59.77,37.77 61.47,37.77 62.38,36.85 62.51,36.72 62.51,33.5 62.38,33.37 62.38,31.26 63.47,30.17 63.47,28.92 63.21,28.66 63.21,27.73 63.24,27.7 63.24,26.92 63.7,26.46 v1(63.7,26.29) ; v1(101.8,83.44) 101.8,83.61 101.34,84.07 101.34,84.85 101.31,84.88 101.31,85.81 101.57,86.07 101.57,87.32 100.48,88.41 100.48,90.52 100.61,90.65 100.61,93.87 100.48,94 99.57,94.92 97.87,94.92 97.5,94.55 J1#22.13 ; 40.35,34.29 40.35,35.02 40.72,35.38 42.42,35.38 43.33,34.47 43.46,34.34 43.46,31.12 43.33,30.99 43.33,28.88 44.42,27.79 44.42,26.54 44.16,26.28 44.16,25.35 44.19,25.31 44.19,24.54 44.65,24.08 v1(44.65,23.91) ; v1(82.75,28.68) 82.75,28.84 82.29,29.31 82.29,30.08 82.26,30.11 82.26,31.04 82.52,31.3 82.52,32.55 81.43,33.64 81.43,35.75 81.56,35.88 81.56,39.11 81.43,39.23 81.43,39.24 80.52,40.15 78.82,40.15 78.45,39.78 J1#21.13 ; J1#9.13 97.5,56.45 97.87,56.82 99.57,56.82 100.48,55.9 100.61,55.77 100.61,52.55 100.48,52.42 100.48,50.31 101.57,49.22 101.57,47.97 101.31,47.71 101.31,46.78 101.34,46.75 101.34,45.97 101.8,45.51 v1(101.8,45.34) ; v1(120.85,42.96) 120.85,43.13 120.39,43.59 120.39,44.36 120.36,44.4 120.36,45.33 120.62,45.59 120.62,46.84 119.53,47.93 119.53,50.04 119.66,50.17 119.66,53.39 119.53,53.52 118.62,54.43 116.92,54.43 116.55,54.07 J1#19.13 ; 40.35,72.39 40.35,73.12 40.72,73.48 42.42,73.48 43.33,72.57 43.46,72.44 43.46,69.22 43.33,69.09 43.33,66.98 44.42,65.89 44.42,64.64 44.16,64.38 44.16,63.45 44.19,63.41 44.19,62.64 44.65,62.18 v1(44.65,62.01) ; v1(44.65,81.06) 44.65,81.23 44.19,81.69 44.19,82.46 44.16,82.5 44.16,83.43 44.42,83.69 44.42,84.94 43.33,86.03 43.33,88.14 43.46,88.27 43.46,91.49 43.33,91.62 42.42,92.53 40.72,92.53 40.35,92.17 40.35,91.44 ; J1#4.13 78.45,77.88 78.82,78.25 80.52,78.25 81.43,77.34 81.43,77.33 81.56,77.21 81.56,73.98 81.43,73.85 81.43,71.74 82.52,70.65 82.52,69.4 82.26,69.14 82.26,68.21 82.29,68.18 82.29,67.41 82.75,66.94 v1(82.75,66.78) ; J1#2.13 97.5,18.35 97.87,18.72 99.57,18.72 100.61,17.68 100.61,12.11 101.61,11.11 101.61,10.35 101.31,10.05 101.31,8.68 101.34,8.65 101.34,7.71 v1(101.8,7.24)